# Allegro board WeChat_ZM_PART_20200601.brd (continued)
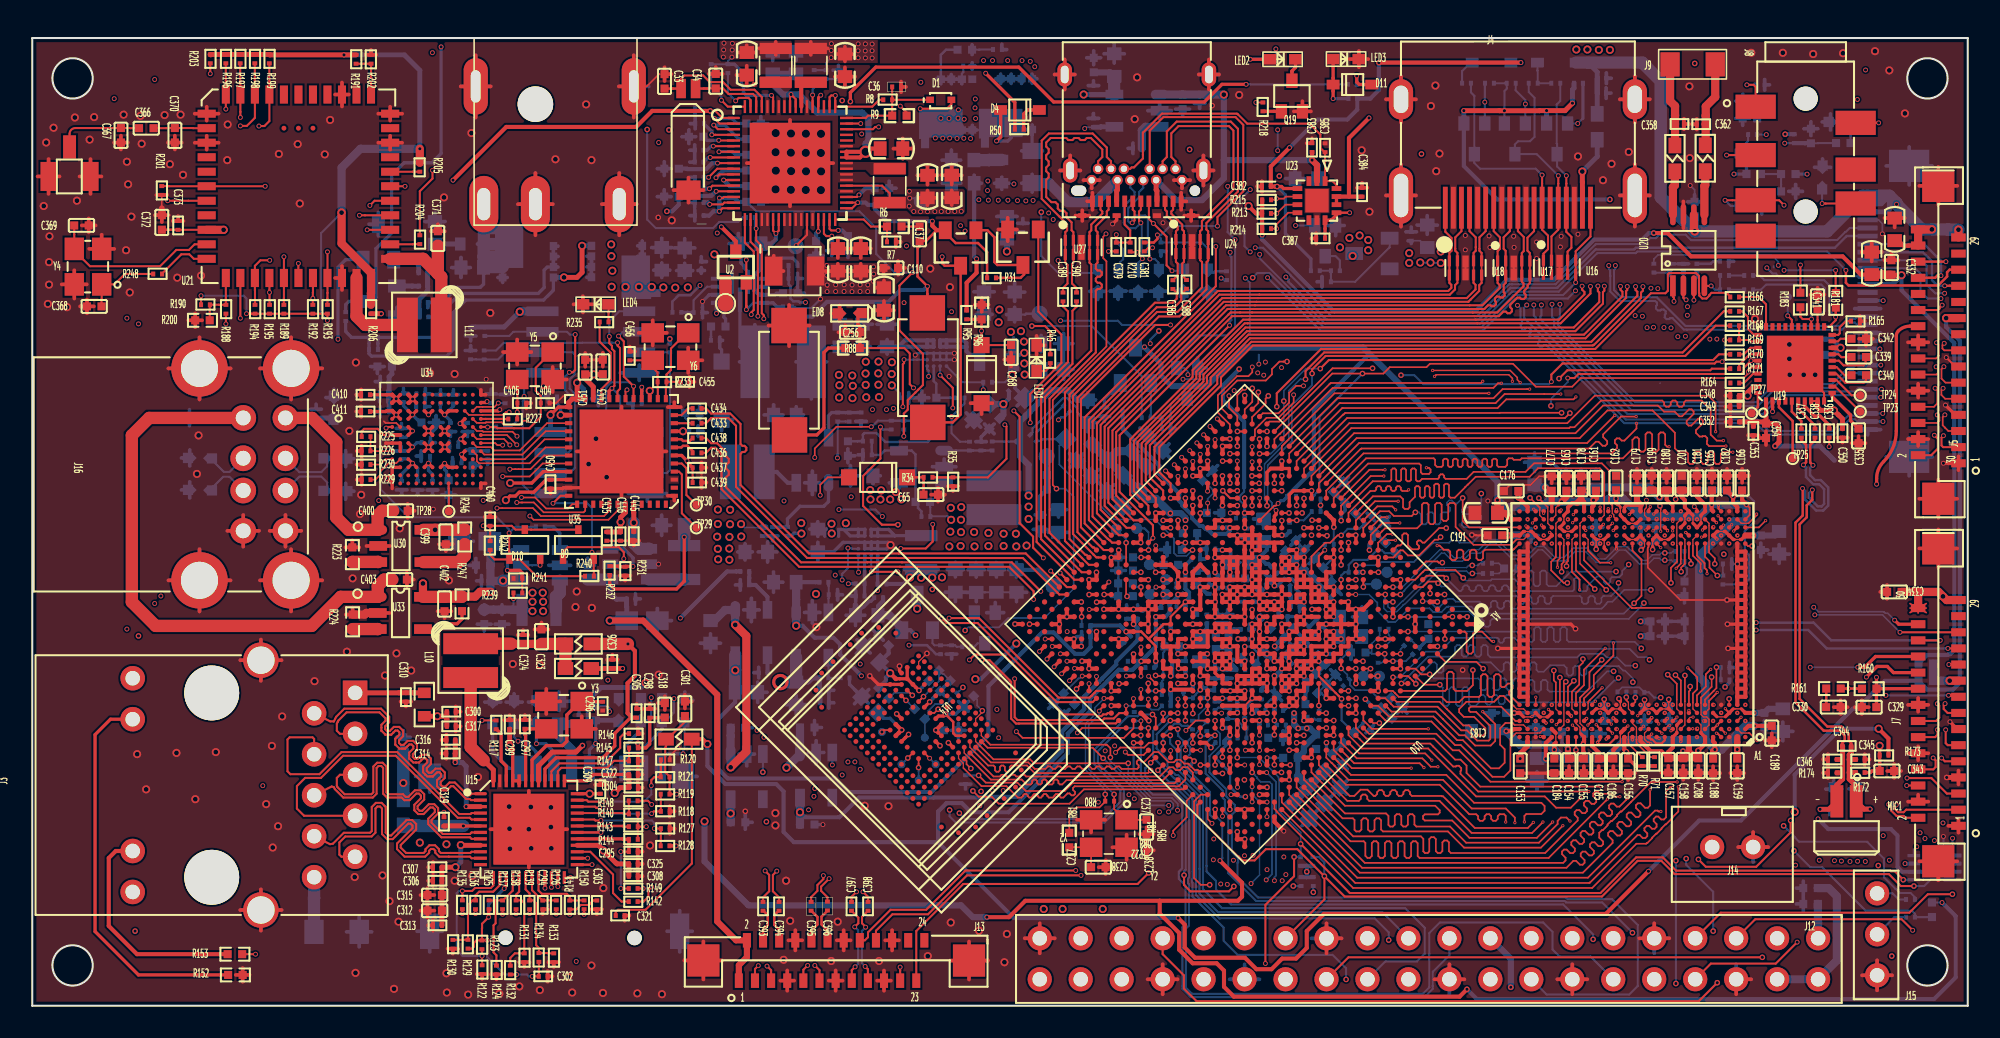
[diagram p0: board, top side]
## Routing (per net, layer and track width the routed paths; a pad name or vN(x,y) marks a point on that pad's centre or on a via; arc(x,y) is an arc through that point) (continued)
MDI2-: length 18.2
  TOP w0.127: J3.6 18.56,13.59 18.7,13.55 18.76,13.43 19.28,12.91 21.11,12.91 21.35,13.15 21.35,14.75 21.47,14.86 21.64,14.86 21.76,14.75 21.76,13.15 21.99,12.91 22.9,12.91 23.06,12.75 23.4,12.75 23.81,13.15 23.98,13.15 24.1,13.04 24.1,12.87 23.69,12.46 23.69,12.12 23.93,11.88 24.26,11.88 24.67,12.29 24.84,12.29 24.96,12.17 24.96,12.01 24.55,11.6 24.55,11.26 25.37,10.45 27.14,10.45 27.24,10.35 U15.8
MDI3+: length 18.1
  TOP w0.127: U15.10 27.24,9.55 27.16,9.47 25.92,9.47 25.33,9.47 25.22,9.59 25.22,9.7 24.97,9.95 24.62,9.95 24.38,9.7 24.38,9.59 24.27,9.47 23.18,9.47 22.84,9.81 22.84,9.97 23.8,10.92 23.8,11.27 23.56,11.52 23.21,11.52 22.25,10.56 22.09,10.56 21.91,10.74 21.91,12.33 21.84,12.4 21.66,12.58 21.3,12.58 21.05,12.33 21.05,10.83 20.95,10.72 19.32,10.72 18.64,10.05 18.46,10.02 J3.8
MDI3-: length 18.1
  TOP w0.127: U15.11 27.24,9.15 27.14,9.24 25.82,9.24 25.23,9.24 24.99,9.49 24.99,9.61 24.88,9.72 24.72,9.72 24.61,9.61 24.61,9.49 24.36,9.24 23.08,9.24 22.61,9.71 22.61,10.06 23.57,11.02 23.57,11.18 23.46,11.29 23.3,11.29 22.35,10.33 22,10.33 21.68,10.64 21.68,12.23 21.57,12.35 21.4,12.35 21.28,12.23 21.28,10.73 21.04,10.5 19.41,10.5 19.04,10.12 19.04,9.37 19.17,9.24 J3.9
MIC_IN1P: length 31.7
  TOP w0.127: J8.2 v1(105.05,52.74) ; v1(111.41,34.66) 111.41,35.22 C336.1
  SIG1 w0.203: v1(111.41,34.66) 112.92,36.17 112.92,50.87 111.79,52 108.23,52 107.8,51.57 v1(105.5,51.57)
  BOTTOM w0.127: R178.2 106.38,53.62 106.09,53.32 106.09,52.96 ED12.1 105.87,52.74 v1(105.05,52.74)
  BOTTOM w0.203: ED12.1 106.09,52.72 106.09,52.27 106.28,52.08 R177.2 v1(105.5,51.57)
MIC_IN2N: length 32.2
  TOP w0.152: v1(110.4,33.51) 110.23,33.68 110.23,34.77 110.53,35.07 C338.1 ; C344.2 112.22,16.29 112.37,16.44 112.37,16.75 112.06,17.05 111.07,17.05 109.32,18.8 109.32,29.95 109.77,30.4 109.77,32.07 v1(109.76,32.08)
  TOP w0.305: 112.24,14.43 112.24,14.05 111.89,13.7 MIC1.2 111.39,12.18 v1(110.85,12.18) ; 112.24,14.43 112.23,14.44 R174.1 ; 112.24,14.43 112.24,15.27 ; 112.24,15.27 112.24,16.09 C344.2 ; 112.24,15.27 C346.1
  BOTTOM w0.152: v1(110.4,33.51) 110.23,33.35 110.22,33.2 110.22,32.9 110.53,32.59 110.89,32.59 111.35,32.14 111.35,31.01 111.05,30.71 110.6,30.71 109.91,31.4 109.91,31.93 v1(109.76,32.08)
  BOTTOM w0.305: v1(110.85,12.18) ED10.1
MIC_IN2P: length 31.2
  TOP w0.152: C337.1 109.68,35.07 109.98,34.77 109.98,33.7 v1(109.81,33.53) ; C344.1 112.77,16.29 112.62,16.44 112.62,16.85 112.17,17.31 111.3,17.31 109.58,19.03 109.58,29.85 110.02,30.29 110.02,31.03 110.36,31.37 v1(110.36,31.98)
  TOP w0.305: C345.1 112.65,15.27 ; 112.65,15.27 112.65,15.56 112.77,15.68 C344.1 ; 112.65,15.27 112.65,14.46 ; v1(113.94,12.19) 113.57,12.19 MIC1.1 113.09,13.61 112.65,14.05 112.65,14.46 ; 112.65,14.46 R172.1
  BOTTOM w0.152: v1(110.36,31.98) 110.16,31.78 110.16,31.5 110.7,30.96 110.94,30.96 111.09,31.11 111.09,32.03 110.79,32.34 110.42,32.34 109.97,32.79 109.97,33.2 109.98,33.36 v1(109.81,33.53)
  BOTTOM w0.305: ED9.1 v1(113.94,12.19)
MICBIAS1: length 53.9
  TOP w0.203: v1(107.9,36.84) 107.9,37.09 107.9,37.09 107.9,37.16 107.89,37.17 U19.2
  TOP w0.254: v5(114.48,17.18) 115.09,16.57 R173.2
  SIG1 w0.203: v1(110.04,51.56) 109.66,51.56 109.66,51.57 108.5,51.57 107.9,50.96 107.9,37.09 107.9,37.09 v1(107.9,36.84)
  SIG1 w0.254: v1(107.9,36.84) 109.27,35.46 v5(109.27,12.02)
  BOTTOM w0.203: v1(110.04,51.56) 110.04,51.57 R175.1
  BOTTOM w0.254: v5(114.48,17.18) 112.12,17.18 109.27,14.33 v5(109.27,12.02)
MIPI_MCLK0: length 30.5
  TOP w0.152: C329.1 114.33,18.84 114.34,18.85 ; J7.18 114.34,19.66 R160.2
  TOP w0.203: 114.34,18.51 R160.2 ; R160.2 116.92,19.66 ; R160.2 v1(114.34,20.37) ; v1(114.35,32.34) 114.35,32.69 arc(114.46,33.26) 114.78,33.74 arc(115.37,34.61) 115.57,35.64 115.57,41.53 arc(115.6,41.7) 115.7,41.84 arc(116.02,42.06) 116.41,42.13 J5.18
  SIG1 w0.203: v1(114.34,20.37) 114.34,20.62 114.35,20.63 v1(114.35,32.34)
MIPI_MCLK1: length 1.2
  TOP w0.152: R161.2 111.23,18.85 111.22,18.84 C330.1
MIPI_RX0_CLKN: length 69.3
  TOP w0.102: J5.8 117.9,37.14 118.11,37.34 118.11,38.15 v1(117.98,38.29)
  TOP w0.127: U10.AL13 69.04,32.55 69.04,34.82 72.83,38.62 72.83,39.04 75.4,41.61 96.21,41.61 98.59,43.99 98.59,44.27 98.47,44.39 v1(98.47,44.6)
  SIG2 w0.127: v1(117.98,38.29) 118.12,38.14 118.12,38.11 118.12,37.85 117.98,37.71 117,37.71 116.75,37.96 116.75,45.43 115.71,46.47 99.2,46.47 98.63,45.9 98.56,45.83 98.56,45.01 98.47,44.92 v1(98.47,44.6)
MIPI_RX0_CLKP: length 69.3
  TOP w0.102: J5.9 118.6,37.64 118.37,37.87 118.37,38.18 v1(118.47,38.28)
  TOP w0.127: v1(98.89,44.59) 98.89,44.38 98.82,44.31 98.82,44.18 98.82,43.9 96.3,41.38 75.49,41.38 73.06,38.95 73.06,38.52 69.29,34.75 69.29,32.76 69.82,32.23 69.88,32.18 70.12,31.94 U10.AK13
  SIG2 w0.127: v1(118.47,38.28) 118.35,38.16 118.35,38.04 118.35,37.95 118.35,37.94 118.35,37.76 118.08,37.49 116.9,37.49 116.52,37.87 116.52,41.67 116.38,41.81 116.38,42.06 116.52,42.19 116.52,45.34 115.61,46.24 99.3,46.24 98.79,45.73 98.79,45.02 98.89,44.92 v1(98.89,44.59)
MIPI_RX0_D0N: length 69.1
  TOP w0.102: v1(118.07,41.11) 118.2,40.98 118.2,40.3 118.04,40.13 J5.14
  TOP w0.127: v1(96.09,44.61) 96.09,44.4 96.24,44.25 96.24,44.11 94.66,42.54 89.49,42.54 75.07,42.54 71.94,39.41 71.94,38.98 68.07,35.12 68.07,31.68 U10.AL15
  SIG2 w0.127: v1(118.07,41.11) 118.07,41.35 117.97,41.46 117.97,45.91 116.36,47.52 96.94,47.52 96.22,46.8 96.22,44.75 v1(96.09,44.61)
MIPI_RX0_D0P: length 69.1
  TOP w0.102: v1(118.54,41.07) 118.43,40.96 118.43,40.75 118.54,40.63 J5.15
  TOP w0.127: U10.AK15 69.2,31 68.3,31.9 68.3,35.02 72.17,38.89 72.17,39.31 75.17,42.31 75.35,42.31 94.76,42.31 96.61,44.16 v1(96.61,44.6)
  SIG2 w0.127: v1(118.54,41.07) 118.29,40.82 117.95,40.82 117.94,40.83 117.93,40.83 117.74,41.03 117.74,45.82 116.27,47.29 97.04,47.29 96.45,46.7 96.45,44.77 96.61,44.61 v1(96.61,44.6)
MIPI_RX0_D1N: length 68.9
  TOP w0.102: v1(118.52,39.62) 118.37,39.47 118.37,38.89 118.62,38.63 J5.11
  TOP w0.127: U10.AL14 68.53,32.14 68.53,34.94 72.38,38.8 72.38,39.22 75.22,42.05 95.58,42.05 97.16,43.63 97.16,44.22 97.07,44.31 v1(97.07,44.62)
  SIG2 w0.127: v1(97.07,44.62) 97.07,44.84 97.16,44.94 97.16,46.53 97.63,46.99 116.1,46.99 117.38,45.71 117.38,40.37 117.85,39.91 118.24,39.91 v1(118.52,39.62)
MIPI_RX0_D1P: length 68.8
  TOP w0.102: J5.12 118.06,39.13 118.17,39.25 118.17,39.49 v1(118.04,39.62)
  TOP w0.127: U10.AK14 69.66,31.48 68.78,32.35 68.78,34.88 72.61,38.71 72.61,39.13 75.31,41.83 95.67,41.83 97.38,43.54 97.38,44.25 97.47,44.33 v1(97.47,44.62)
  SIG2 w0.127: v1(97.47,44.62) 97.47,44.83 97.39,44.91 97.39,46.43 97.72,46.76 116.01,46.76 116.21,46.56 116.21,46.27 116.34,46.14 116.63,46.14 117.15,45.62 117.15,45.08 116.99,44.92 116.99,44.69 117.15,44.53 117.15,44.31 116.99,44.15 116.99,43.93 117.15,43.77 117.15,43.55 116.99,43.39 116.99,43.17 117.15,43.01 117.15,40.28 117.75,39.68 117.98,39.68 v1(118.04,39.62)
MIPI_RX0_D2N: length 67.4
  TOP w0.102: J5.5 118.8,35.64 118.59,35.84 118.59,35.84 118.45,35.99 118.45,36.5 v1(118.58,36.64)
  TOP w0.127: U10.AL12 69.57,32.93 69.57,34.66 73.47,38.55 73.47,39.05 75.58,41.17 96.66,41.17 99.52,44.02 99.52,44.27 99.4,44.38 v1(99.4,44.59)
  SIG2 w0.127: v1(118.58,36.64) 118.44,36.78 118.44,36.86 118.04,37.26 116.56,37.26 116.12,37.7 116.12,44.42 115.42,45.11 107.59,45.11 106.72,45.98 99.78,45.98 99.25,45.45 99.25,44.74 v1(99.4,44.59)
MIPI_RX0_D2P: length 67.5
  TOP w0.102: v1(118.11,36.63) 118.24,36.5 118.24,36.27 118.11,36.14 J5.6
  TOP w0.127: v1(99.86,44.59) 99.86,44.34 99.74,44.22 99.74,43.89 96.82,40.98 96.79,40.98 96.75,40.94 75.68,40.94 73.7,38.96 73.7,38.46 69.88,34.63 69.88,33.09 70.58,32.39 U10.AK12
  SIG2 w0.127: v1(118.11,36.63) 118.11,36.87 117.95,37.03 117.33,37.03 117.22,36.92 117.22,36.74 117.1,36.63 116.95,36.63 116.84,36.74 116.84,36.92 116.72,37.03 116.47,37.03 115.89,37.61 115.89,44.32 115.33,44.88 107.5,44.88 106.63,45.75 99.87,45.75 99.61,45.49 99.61,44.85 99.71,44.75 99.71,44.74 v1(99.86,44.59)
MIPI_RX0_D3N: length 75
  TOP w0.127: v1(117.93,35.37) 118.15,35.15 118.15,34.54 117.74,34.13 J5.2
  TOP w0.203: U10.AL11 v1(70.27,33.16)
  SIG1 w0.127: v1(70.27,33.16) 67.74,35.69 67.74,41.27 69.73,43.26 69.92,43.26 74.67,43.26 75.01,42.92 97.99,42.92 98.61,43.53 100.11,43.53 100.44,43.86 100.44,44.2 100.36,44.28 v1(100.36,44.49)
  SIG2 w0.127: v1(100.36,44.49) 100.36,44.7 100.44,44.78 100.44,45.09 100.81,45.47 106.42,45.47 107.4,44.49 115.02,44.49 115.49,44.02 115.49,36.02 116.99,34.52 117.8,34.52 118.11,34.84 118.11,35.17 v1(117.93,35.37)
MIPI_RX0_D3P: length 75
  TOP w0.127: J5.3 118.48,34.63 118.37,34.74 118.37,35.23 v1(118.49,35.34)
  TOP w0.203: U10.AK11 v1(71.04,32.83)
  SIG1 w0.127: v1(71.04,32.83) 67.97,35.89 67.97,41.18 69.83,43.03 74.57,43.03 74.92,42.69 98.09,42.69 98.7,43.3 100.21,43.3 100.67,43.76 100.67,44.14 100.78,44.25 v1(100.78,44.46)
  SIG2 w0.127: v1(100.78,44.46) 100.78,44.65 100.71,44.73 100.71,44.97 100.98,45.24 106.33,45.24 107.3,44.27 114.93,44.27 115.27,43.93 115.27,35.93 116.9,34.3 117.89,34.3 118.34,34.74 118.34,35.21 v1(118.49,35.34)
MIPI_TX0_CLKN: length 69.9
  TOP w0.203: U10.AH12 71.5,31.47 v2(71.49,31.47)
  SIG1 w0.127: v1(94.22,43.49) 94.37,43.64 94.37,43.82 93.74,44.46 68.81,44.46 66.35,41.99 66.35,32.87 68.09,31.12 71.14,31.12 v2(71.49,31.47)
  BOTTOM w0.127: v1(114.58,39.22) J6.8 113.02,39.22 112.9,39.35 112.7,39.35 111.67,38.32 108.11,38.32 106.98,37.19 99.29,37.19 94.35,42.12 94.35,42.59 94.22,42.72 v1(94.22,43.49)
MIPI_TX0_CLKP: length 71.1
  TOP w0.203: v2(71.95,31.01) 71.96,31.01 U10.AG12
  SIG1 w0.127: v1(94.71,43.49) 94.71,43.8 93.83,44.68 68.71,44.68 66.12,42.09 66.12,32.77 68,30.89 71.24,30.89 71.36,31.01 v2(71.95,31.01)
  BOTTOM w0.127: v1(114.61,39.72) J6.9 113.04,39.72 112.9,39.57 112.61,39.57 111.58,38.54 108.02,38.54 106.89,37.42 99.38,37.42 94.58,42.22 94.58,42.59 94.71,42.72 v1(94.71,43.49)
MIPI_TX0_D0N: length 71.2
  TOP w0.203: U10.AH15 70.57,29.63 v2(70.57,29.63)
  SIG1 w0.127: v2(70.57,29.63) 70.42,29.63 70.34,29.55 69.89,29.55 69.89,29.55 67.72,29.55 65.25,32.02 65.25,42.58 68.17,45.5 70.18,45.5 70.6,45.92 78.7,45.92 79.27,45.34 94.82,45.34 95.37,45.89 v1(97.74,45.89)
  BOTTOM w0.127: J6.14 113.14,42.22 113.01,42.36 112.64,42.36 112.21,41.92 102.4,41.92 101.7,42.63 101.54,42.63 101.48,42.57 101.32,42.57 101.21,42.68 101.21,42.84 101.27,42.9 101.27,43.06 101.16,43.17 101,43.17 100.94,43.11 100.79,43.11 100.67,43.22 100.67,43.38 100.73,43.44 100.73,43.59 100.63,43.7 98.42,43.7 97.84,44.28 97.84,45.25 97.83,45.26 97.83,45.6 97.74,45.69 v1(97.74,45.89)
MIPI_TX0_D0P: length 71.1
  TOP w0.102: U10.AG15 v2(70.12,29.17)
  SIG1 w0.127: v2(70.12,29.17) 69.85,29.17 69.7,29.32 67.62,29.32 65.02,31.93 65.02,32.11 65.02,42.67 65.16,42.8 68.08,45.73 70.09,45.73 70.5,46.14 78.85,46.14 79.43,45.57 94.73,45.57 95.42,46.26 97.79,46.26 98,46.05 98,46.04 v1(98.15,45.89)
  BOTTOM w0.127: J6.15 113.14,42.72 113.01,42.59 112.55,42.59 112.11,42.15 102.5,42.15 100.72,43.92 98.52,43.92 98.07,44.37 98.07,45.34 98.06,45.35 98.06,45.6 98.15,45.69 v1(98.15,45.89)
MIPI_TX0_D1N: length 69.7
  TOP w0.203: U10.AH14 70.12,30.09 v2(70.12,30.09)
  SIG1 w0.127: v1(102.62,42.81) 102.48,42.95 101.72,42.95 101.27,43.4 101.27,44.68 100.6,45.34 95.45,45.34 95.01,44.9 78.7,44.9 78.13,45.47 71.3,45.47 70.88,45.05 68.59,45.05 65.77,42.24 65.77,32.54 68.22,30.1 70.11,30.1 v2(70.12,30.09)
  SIG2 w0.127: v1(114.55,40.72) 114.4,40.88 114.18,40.88 112,43.07 107.94,43.07 107.86,42.99 103.01,42.99 102.83,42.81 v1(102.62,42.81)
  BOTTOM w0.127: J6.11 v1(114.55,40.72)
MIPI_TX0_D1P: length 71.6
  TOP w0.203: v2(71.03,30.09) 71.04,30.09 U10.AG14
  SIG1 w0.127: v1(102.63,43.34) 102.46,43.18 101.81,43.18 101.5,43.49 101.5,44.78 100.7,45.57 95.36,45.57 94.91,45.13 78.8,45.13 78.23,45.7 71.2,45.7 70.78,45.28 68.49,45.28 65.54,42.33 65.54,32.44 68.22,29.77 69.98,29.77 69.98,29.77 70.23,29.77 70.56,30.09 v2(71.03,30.09)
  SIG2 w0.127: v1(114.59,41.22) 114.46,41.11 114.28,41.11 112.09,43.3 107.84,43.3 107.77,43.22 102.96,43.22 102.84,43.34 v1(102.63,43.34)
  BOTTOM w0.127: J6.12 v1(114.59,41.22)
MIPI_TX0_D2N: length 67.3
  TOP w0.203: v2(71.95,31.93) 71.96,31.93 U10.AH11
  SIG1 w0.127: v2(71.95,31.93) 71.8,31.93 71.72,32.01 68.19,32.01 66.87,33.33 66.87,41.73 69.12,43.97 92.57,43.97 v1(93.1,43.45)
  BOTTOM w0.127: v1(93.1,43.45) 93.1,42.8 93.22,42.68 93.22,42.37 98.9,36.69 107.3,36.69 108.46,37.86 113.01,37.86 113.14,37.72 J6.5 v1(114.6,37.72)
MIPI_TX0_D2P: length 68.7
  TOP w0.203: U10.AG11 72.41,31.47 v2(72.41,31.47)
  SIG1 w0.127: v1(93.57,43.45) 92.81,44.2 69.02,44.2 66.65,41.82 66.65,33.23 68.09,31.79 71.62,31.79 71.94,31.47 v2(72.41,31.47)
  BOTTOM w0.127: v1(114.65,38.22) J6.6 113.14,38.22 113.01,38.09 108.37,38.09 107.2,36.92 99.15,36.92 93.51,42.56 93.51,42.74 93.57,42.8 v1(93.57,43.45)
MIPI_TX0_D3N: length 68.3
  TOP w0.203: v1(72.87,31.9) 72.87,31.91 U10.AH9
  SIG1 w0.127: v1(72.87,31.9) 72.3,32.47 71.62,32.47 71.62,32.47 68.62,32.47 67.41,33.69 67.41,41.4 69.48,43.48 70.01,43.48 74.76,43.48 75.1,43.13 91.78,43.13 91.93,43.28 91.93,43.28 v1(92.08,43.43)
  BOTTOM w0.127: v1(92.08,43.43) 92.26,43.26 92.27,43.04 92.27,42.55 92.37,42.46 92.37,42.3 92.28,42.22 92.28,42.06 92.4,41.95 92.55,41.95 92.64,42.03 92.79,42.03 92.91,41.92 92.91,41.76 92.82,41.68 92.82,41.52 92.94,41.41 93.09,41.41 93.18,41.49 93.33,41.49 93.44,41.38 93.44,41.22 93.36,41.14 93.36,40.98 93.47,40.87 93.63,40.87 93.71,40.95 93.87,40.95 98.71,36.12 106.86,36.12 107.57,35.41 111.73,35.41 112.68,36.36 113.01,36.36 113.14,36.22 J6.2 114.53,36.22 114.53,36.23 v1(114.74,36.23)
MIPI_TX0_D3P: length 68.4
  TOP w0.203: U10.AG9 v1(73.33,31.49)
  SIG1 w0.127: v1(92.66,43.45) 92.36,43.74 69.43,43.74 67.18,41.5 67.18,33.59 68.53,32.24 71.72,32.24 72.08,32.24 72.84,31.49 v1(73.33,31.49)
  BOTTOM w0.127: v1(114.73,36.72) 114.29,36.72 114.29,36.72 J6.3 113.14,36.72 113.01,36.59 112.58,36.59 111.64,35.64 107.66,35.64 106.96,36.35 98.8,36.35 92.5,42.65 92.5,43.04 92.49,43.27 v1(92.66,43.45)
MIPI_TX1/RX1_CLKN: length 78
  TOP w0.127: J7.8 117.86,14.66 118.01,14.8 118.01,15.21 v1(117.86,15.36)
  TOP w0.203: U10.AL8 71.77,34.42 v1(71.76,34.42)
  SIG1 w0.127: v1(71.76,34.42) 71.5,34.69 69.3,36.88 69.3,39.75 71,41.44 77.24,41.44 77.24,41.44 101.03,41.44 101.16,41.58 v1(101.16,42.05)
  SIG2 w0.127: v1(101.16,42.05) 101.16,41.84 101.25,41.75 101.25,40.62 105.57,36.3 110.29,36.3 113.18,33.41 113.18,23.91 116.64,20.45 116.64,17.39 117.99,16.03 117.99,15.8 117.86,15.66 v1(117.86,15.36)
MIPI_TX1/RX1_CLKP: length 78
  TOP w0.127: v1(118.38,15.36) 118.58,15.16 J7.9
  TOP w0.203: U10.AK8 v1(72.41,34.19)
  SIG1 w0.127: v1(101.6,42.03) 101.45,41.88 101.45,41.46 101.2,41.21 77.15,41.21 77.15,41.21 71.09,41.21 69.53,39.66 69.53,37.07 71.76,34.85 71.76,34.85 v1(72.41,34.19)
  SIG2 w0.127: v1(101.6,42.03) 101.6,41.82 101.48,41.7 101.48,40.71 105.66,36.53 110.39,36.53 113.41,33.51 113.41,24 116.87,20.55 116.87,17.48 118.22,16.13 118.22,15.73 118.38,15.57 v1(118.38,15.36)
MIPI_TX1/RX1_D0N: length 74.7
  TOP w0.127: v1(118.12,18.72) 118.23,18.61 118.23,17.85 118.03,17.66 J7.14
  TOP w0.203: v1(72.63,35.4) 72.87,35.15 U10.AL6
  SIG1 w0.127: v1(72.63,35.4) 70.23,37.8 70.23,39.42 71.37,40.55 76.87,40.55 76.87,40.55 102.22,40.55 102.26,40.59 103.87,40.59 104.09,40.82 104.09,40.95 104.01,41.03 v1(104.01,41.33)
  SIG2 w0.127: v1(104.01,41.33) 104.01,41.12 104.11,41.02 104.11,39.57 105.38,38.31 111.27,38.31 114.81,34.77 114.81,25.23 118.24,21.8 118.24,19.08 118.12,18.96 v1(118.12,18.72)
MIPI_TX1/RX1_D0P: length 74.7
  TOP w0.127: v1(118.59,18.73) 118.51,18.65 118.51,18.4 118.75,18.16 J7.15
  TOP w0.203: U10.AK6 v1(73.33,35.1)
  SIG1 w0.127: v1(73.33,35.1) 72.92,35.52 72.92,35.52 70.46,37.98 70.46,39.33 71.46,40.33 76.78,40.33 76.78,40.32 102.31,40.32 102.35,40.37 103.96,40.37 104.32,40.72 104.32,40.95 104.44,41.07 v1(104.44,41.33)
  SIG2 w0.127: v1(118.59,18.73) 118.59,18.95 118.47,19.08 118.47,21.89 117.18,23.18 117.18,23.36 117,23.54 116.82,23.54 116.64,23.72 116.64,23.9 116.46,24.08 116.28,24.08 116.1,24.26 116.1,24.44 115.92,24.62 115.74,24.62 115.56,24.8 115.56,24.98 115.39,25.16 115.2,25.16 115.04,25.32 115.04,34.86 111.36,38.54 105.47,38.54 104.34,39.67 104.34,41.02 104.44,41.12 v1(104.44,41.33)
MIPI_TX1/RX1_D1N: length 76.8
  TOP w0.127: v1(118.63,17.11) 118.63,16.28 118.76,16.16 J7.11
  TOP w0.203: U10.AL7 72.23,34.88 72.23,34.88 v1(72.21,34.9)
  SIG1 w0.127: v1(72.21,34.9) 72.05,35.05 72.02,35.05 69.75,37.32 69.75,39.57 71.18,41 77.06,41 77.06,41 101.79,41 102.03,41.23 v1(102.03,41.49)
  SIG2 w0.127: v1(102.03,41.49) 102.11,41.57 102.11,41.9 102.41,42.2 103.03,42.2 103.55,41.68 103.55,39.51 105.66,37.39 110.59,37.39 114.06,33.92 114.06,24.37 117.51,20.93 117.51,18.75 118.45,17.81 118.45,17.51 118.63,17.33 v1(118.63,17.11)
MIPI_TX1/RX1_D1P: length 76.6
  TOP w0.127: v1(118.13,17.11) 118.13,16.8 117.98,16.66 J7.12
  TOP w0.203: U10.AK7 v1(72.87,34.69)
  SIG1 w0.127: v1(72.87,34.69) 72.23,35.33 69.98,37.58 69.98,39.47 71.28,40.77 76.96,40.77 76.96,40.77 102.13,40.77 102.49,41.14 v1(102.49,41.51)
  SIG2 w0.127: v1(102.49,41.51) 102.42,41.59 102.42,41.76 102.62,41.97 102.94,41.97 103.32,41.59 103.32,39.41 105.57,37.17 105.76,37.17 110.5,37.17 113.83,33.83 113.83,24.28 117.28,20.83 117.28,18.66 118.22,17.71 118.22,17.47 118.13,17.37 v1(118.13,17.11)
MIPI_TX1/RX1_D2N: length 80.7
  TOP w0.127: v1(116.23,14.12) 117.75,14.12 118.71,13.16 J7.5
  TOP w0.203: U10.AL9 71.31,33.96 v1(71.26,34)
  SIG1 w0.127: v1(100.52,42.07) 100.5,42.08 100.5,42.19 100.3,42.39 99.98,42.39 99.48,41.89 77.43,41.89 77.42,41.89 70.81,41.89 68.86,39.93 68.86,39.1 68.86,36.41 71.06,34.2 v1(71.26,34)
  SIG2 w0.127: v1(100.52,42.07) 100.52,41.79 100.43,41.7 100.43,41 102.21,39.23 105.49,35.95 109.68,35.95 112.78,32.85 112.78,23.77 116.17,20.38 116.17,20.19 116.17,14.4 116.23,14.33 v1(116.23,14.12)
MIPI_TX1/RX1_D2P: length 80.8
  TOP w0.127: J7.6 v1(116.22,13.66)
  TOP w0.203: U10.AK9 v1(71.96,33.75)
  SIG1 w0.127: v1(100.12,42.05) 99.73,41.66 77.33,41.66 77.33,41.66 70.91,41.66 69.09,39.84 69.09,39.2 69.09,36.62 v1(71.96,33.75)
  SIG2 w0.127: v1(116.22,13.66) 115.94,13.93 115.94,14.6 115.75,14.79 115.75,14.98 115.94,15.17 115.94,15.36 115.75,15.55 115.75,15.74 115.94,15.93 115.94,16.12 115.75,16.31 115.75,16.5 115.94,16.69 115.94,16.88 115.75,17.07 115.75,17.27 115.94,17.45 115.94,17.65 115.75,17.84 115.75,18.03 115.94,18.22 115.94,18.41 115.75,18.6 115.75,18.79 115.94,18.98 115.94,20.29 115.76,20.47 115.53,20.47 115.38,20.62 115.38,20.85 115.22,21 114.99,21 114.84,21.16 114.84,21.39 114.68,21.54 114.45,21.54 114.3,21.7 114.3,21.93 114.14,22.08 113.92,22.08 113.76,22.24 113.76,22.47 113.61,22.62 113.38,22.62 113.22,22.78 113.22,23 113.07,23.16 112.84,23.16 112.68,23.31 112.68,23.54 112.55,23.68 112.55,25.71 112.39,25.86 112.39,26.09 112.55,26.24 112.55,26.47 112.39,26.62 112.39,26.85 112.55,27 112.55,27.23 112.39,27.38 112.39,27.61 112.55,27.77 112.55,27.99 112.39,28.15 112.39,28.38 112.55,28.53 112.55,28.76 112.39,28.91 112.39,29.14 112.55,29.29 112.55,29.52 112.39,29.67 112.39,29.9 112.55,30.05 112.55,30.28 112.39,30.43 112.39,30.66 112.55,30.81 112.55,31.04 112.39,31.19 112.39,31.42 112.55,31.58 112.55,31.8 112.39,31.96 112.39,32.19 112.55,32.34 112.55,32.75 109.58,35.72 105.39,35.72 101.98,39.13 100.2,40.91 100.2,41.69 100.12,41.77 100.12,41.83 100.12,41.83 v1(100.12,42.05)
MIPI_TX1/RX1_D3N: length 85.5
  TOP w0.127: v1(115.1,12.48) 115.24,12.34 115.24,12.11 115.59,11.77 116.03,11.77 116.14,11.66 J7.2
  TOP w0.203: U10.AL10 70.85,33.5 v1(70.8,33.54)
  SIG1 w0.127: v1(99.38,42.79) 99.23,42.94 98.64,42.94 98.18,42.47 74.83,42.47 74.49,42.82 69.92,42.82 68.21,41.11 68.21,36.13 68.34,36 68.34,36 70.53,33.82 70.53,33.82 v1(70.8,33.54)
  SIG2 w0.127: v1(99.38,42.79) 99.38,42.47 99.49,42.36 99.49,40.86 105.16,35.18 109.17,35.18 111.94,32.42 111.94,23.35 112.3,22.99 112.3,22.83 112.12,22.66 112.12,22.5 112.24,22.39 112.39,22.39 112.57,22.56 112.72,22.56 112.84,22.45 112.84,22.29 112.66,22.12 112.66,21.96 112.77,21.85 112.93,21.85 113.11,22.02 113.26,22.02 113.37,21.91 113.37,21.75 113.2,21.58 113.2,21.42 113.31,21.31 113.47,21.31 113.64,21.48 113.8,21.48 113.91,21.37 113.91,21.21 113.74,21.04 113.74,20.88 113.85,20.77 114.01,20.77 114.18,20.94 114.34,20.94 115.24,20.05 115.24,12.84 115.1,12.7 v1(115.1,12.48)
MIPI_TX1/RX1_D3P: length 85.6
  TOP w0.127: J7.3 116.18,12.16 116.03,12 115.68,12 115.47,12.21 115.47,12.36 v1(115.57,12.45)
  TOP w0.203: v1(71.49,33.29) 71.49,33.25 71.5,33.25 U10.AK10
  SIG1 w0.127: v1(71.49,33.29) 70.88,33.91 70.87,33.91 70.75,34.03 68.44,36.34 68.44,41.02 70.01,42.59 74.39,42.59 74.73,42.25 98.27,42.25 98.7,42.68 99.08,42.68 99.26,42.5 99.58,42.5 v1(99.83,42.75)
  SIG2 w0.127: v1(115.57,12.45) 115.57,12.74 115.47,12.84 115.47,20.14 112.17,23.44 112.17,32.51 109.26,35.41 105.26,35.41 99.72,40.95 99.72,42.41 99.83,42.52 v1(99.83,42.75)
Net_2: length 0.1
  BOTTOM w0.102: 100.92,38.59 100.93,38.6
  BOTTOM w0.127: 107.97,45.78 107.97,45.85
OTP_OUT_H: length 55.2
  TOP w0.102: D2.1 49.32,32.76 48.85,32.3 v1(48.85,31.66) ; U10.P26 v2(71.5,17.68)
  SIG1 w0.102: v1(48.46,12.98) 49.28,13.8 49.28,26.33 48.85,26.75 v1(48.85,31.66)
  SIG2 w0.102: v1(48.46,12.98) 48.73,12.98 50.29,11.42 68.36,11.42 68.67,11.74 71.7,11.74 74.09,14.14 74.09,14.28 74.09,14.28 74.09,14.53 74.09,14.53 74.09,14.66 73.51,15.25 73.51,15.27 73.49,15.29 73.49,16.12 73.63,16.25 73.63,16.89 72.84,17.68 v2(71.5,17.68)
PCIE_REF_CLKN: length 26.4
  TOP w0.127: v1(51.51,7.07) 51.82,6.75 C398.2
  TOP w0.203: v1(64.62,20.91) 64.8,20.91 64.81,20.9 U10.AD30
  SIG1 w0.127: v1(51.51,7.07) 51.51,7.39 51.42,7.48 51.42,7.5 51.42,7.74 51.65,7.97 61.47,7.97 64.27,10.77 64.27,15.08 64.34,15.14 64.34,19.71 64.77,20.15 64.77,20.76 v1(64.62,20.91)
PCIE_REF_CLKP: length 25.8
  TOP w0.127: C397.2 50.79,6.75 v1(51.1,7.06)
  TOP w0.203: U10.AD31 64.6,20.44 v1(64.31,20.15)
  SIG1 w0.127: v1(51.1,7.06) 51.1,7.39 51.19,7.48 51.19,7.83 51.55,8.19 61.38,8.19 64.06,10.87 64.06,15.17 64.12,15.23 64.12,15.58 64.06,15.64 64.06,15.93 64.12,15.99 64.12,16.35 64.06,16.41 64.06,16.69 64.12,16.75 64.12,17.11 64.06,17.17 64.06,17.46 64.12,17.52 64.12,17.87 64.06,17.93 64.06,18.22 64.12,18.28 64.12,18.63 64.06,18.69 64.06,18.98 64.12,19.04 64.12,19.39 64.06,19.45 64.06,19.9 v1(64.31,20.15)
PCIE_RX0_N: length 33.9
  TOP w0.127: v1(48.52,2.5) 48.81,2.21 J13.11
  TOP w0.203: v1(63.35,21.01) 63.35,21.03 63.68,21.35 U10.AF31
  SIG1 w0.127: v1(48.52,2.5) 48.52,2.81 48.41,2.91 48.41,3.17 48.41,3.42 48.6,3.61 48.6,3.8 48.41,3.99 48.41,4.18 48.6,4.37 48.6,4.57 48.41,4.75 48.41,4.95 48.6,5.13 48.6,5.33 48.41,5.51 48.41,5.71 48.6,5.89 48.6,6.09 48.41,6.27 48.41,6.47 48.6,6.65 48.6,6.85 48.41,7.03 48.41,7.23 48.6,7.42 48.6,7.61 48.41,7.8 48.41,8.63 48.95,9.17 60.4,9.17 62.96,11.73 62.96,20.62 v1(63.35,21.01)
PCIE_RX0_P: length 34
  TOP w0.127: v1(48.07,2.5) 47.81,2.23 J13.9
  TOP w0.203: U10.AF30 v1(63.74,21.82)
  SIG1 w0.127: v1(48.07,2.5) 48.08,2.81 48.18,2.92 48.19,3.17 48.19,8.73 48.86,9.4 60.31,9.4 62.73,11.83 62.73,20.83 63.71,21.82 63.74,21.82 ; 63.74,21.82 v1(63.74,21.82) ; 63.74,21.82 63.75,21.82
PCIE_RX1_N: length 37.4
  TOP w0.127: J13.5 45.81,2.2 v1(45.56,2.46)
  TOP w0.203: U10.AH31 62.48,22 v1(62.45,21.97)
  SIG1 w0.127: v1(62.45,21.97) 62.3,21.82 61.67,21.19 61.67,13.27 58.86,10.46 46.02,10.46 44.61,9.05 44.61,8.66 44.72,8.55 44.77,8.55 44.88,8.43 44.88,8.28 44.77,8.16 44.72,8.16 44.61,8.05 44.61,7.89 44.72,7.78 44.77,7.78 44.88,7.67 44.88,7.51 44.77,7.4 44.72,7.4 44.61,7.29 44.61,7.13 44.72,7.02 44.77,7.02 44.88,6.91 44.88,6.75 44.77,6.64 44.72,6.64 44.61,6.53 44.61,6.37 44.72,6.26 44.77,6.26 44.88,6.15 44.88,5.99 44.77,5.88 44.72,5.88 44.61,5.77 44.61,4.13 45.42,3.31 45.42,3 45.56,2.87 v1(45.56,2.46)
PCIE_RX1_P: length 37.3
  TOP w0.127: v1(62.8,22.74) U10.AH30 ; J13.3 44.81,2.28 v1(45.01,2.48)
  SIG1 w0.127: v1(62.8,22.74) 62.65,22.59 62.63,22.59 62.36,22.32 62.35,22.32 61.44,21.41 61.44,17.14 61.34,17.04 61.34,13.26 58.76,10.69 45.93,10.69 44.38,9.14 44.38,4.03 45.19,3.22 45.19,3 45.01,2.83 v1(45.01,2.48)
PCIE_TX0N: length 28.3
  TOP w0.127: C396.1 49.3,6.73 48.91,7.12 48.91,7.38 v1(49.4,7.88)
  TOP w0.203: v1(63.82,20.58) 64.14,20.9 U10.AE31
  SIG1 w0.127: v1(49.4,7.88) 50.13,8.61 61.04,8.61 63.7,11.26 63.7,12.22 63.7,15.11 63.9,15.32 63.9,15.49 63.7,15.7 63.7,15.88 63.9,16.08 63.9,16.26 63.7,16.46 63.7,16.64 63.9,16.84 63.9,17.02 63.7,17.23 63.7,17.4 63.9,17.61 63.9,17.78 63.7,17.99 63.7,18.16 63.9,18.37 63.9,18.54 63.7,18.75 63.7,18.92 63.9,19.13 63.9,19.3 63.7,19.51 63.7,19.77 63.82,19.89 63.82,20.32 63.82,20.32 v1(63.82,20.58)
PCIE_TX0P: length 28.5
  TOP w0.127: C395.1 48.29,6.73 48.68,7.12 48.68,7.49 49.05,7.86 v1(49.05,8.07)
  TOP w0.203: v1(64.15,21.36) U10.AE30
  SIG1 w0.127: 64.15,21.36 63.47,20.68 63.47,12.12 63.47,11.36 60.94,8.84 49.81,8.84 v1(49.05,8.07) ; 64.15,21.36 v1(64.15,21.36) ; 64.15,21.36 64.15,21.36
PCIE_TX1N: length 31.4
  TOP w0.127: C394.1 46.3,6.72 45.92,7.1 45.92,8.11 46.16,8.35 v1(46.16,8.35)
  TOP w0.203: v1(62.92,21.49) 62.92,21.52 63.22,21.82 U10.AG31